# KiCad board cell-sim.kicad_pcb (continued)
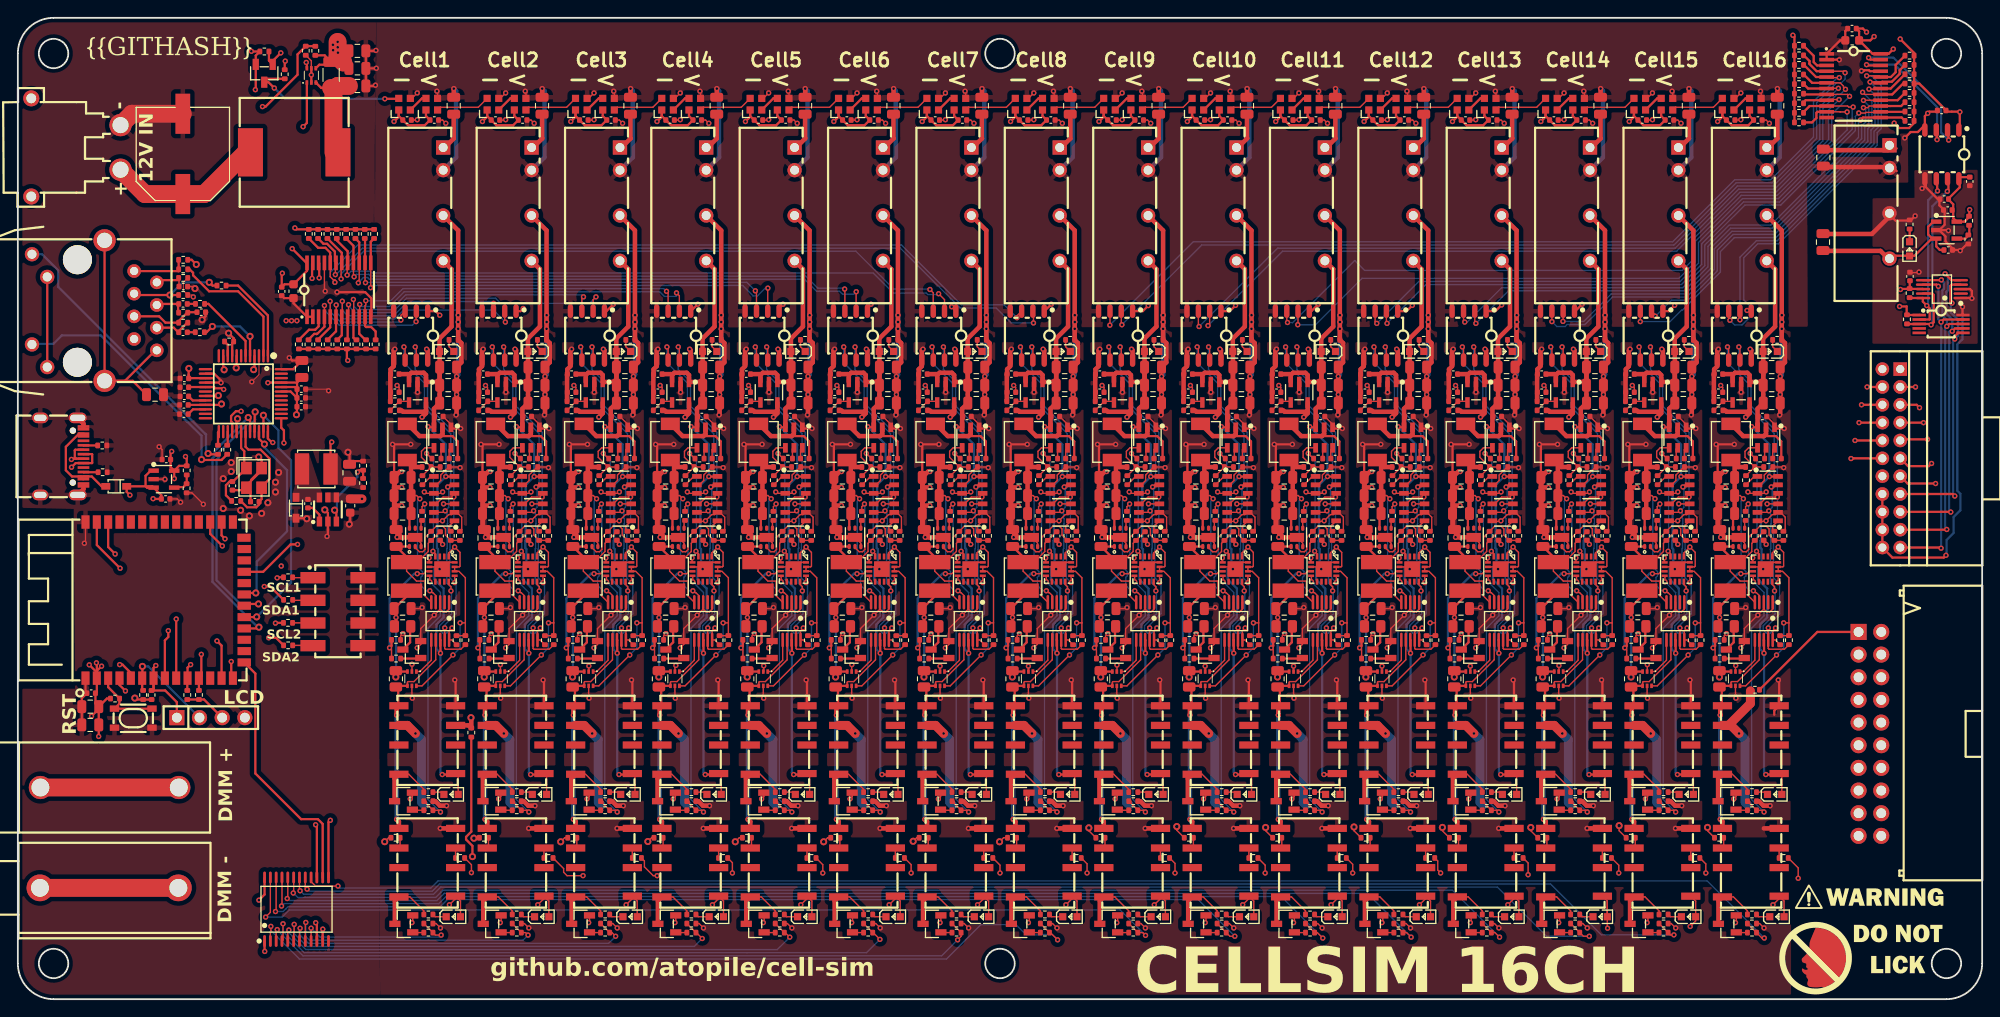
[diagram p0: board, top side]
## Routing (per net, layer and track width the routed paths; a pad name or vN(x,y) marks a point on that pad's centre or on a via; arc(x,y) is an arc through that point) (continued)
  Top w0.15: U184.8 152.55,11.46 154.11,9.9 R357.2
  Top w0.5: Q35.3 150.87,11.01 U184.8
cell12.gpio-p4: length 13.5
  Top w0.15: v2(150.28,39.38) 150.5,39.16 R360.1 ; v2(153.38,47.69) 154.09,47.69 154.36,47.96 U185.7
  Top w0.25: R361.1 150.49,39.6 v2(150.28,39.38)
  Bottom w0.25: v2(153.38,47.69) 153.04,47.69 150.28,44.92 v2(150.28,39.38)
cell12.internal_ldo.feedback_div-out: length 2.6
  Top w0.15: U189.4 152.32,67.02 R366.1 151.37,67.02 R365.2
cell12.isolated_converter.led.resistor-cathode: length 1.5
  Top w0.15: R344.1 156.94,73.13 LED35.1
cell12.ldo.ctrl_resistor-fb: length 8.5
  Top w0.15: 153.15,50.56 U181.2 153.15,50.61 153.61,50.15 153.99,50.15 154.26,50.42 154.26,51.77 R350.2 155.53,53.05 156.2,53.05 156.54,52.71 156.54,52.02 R349.2 ; 157.94,51.43 156.93,51.43
cell12.ldo.dac-vout: length 1.4
  Top w0.15: 156.93,52.44 156.93,53 U180.1
cell12.ldo.regulator-en: length 0.9
  Top w0.15: R352.2 153.8,53.56 U181.4
cell12.load_switch.fet-gate: length 2.3
  Top w0.25: Q36.1 153.71,38.18 R360.2
cell12.load_switch.fet-n: length 3
  Top w0.25: R362.2 152.58,41.72 152.58,40 Q36.3
cell12.output_relay.fet-gate: length 1.6
  Top w0.15: Q34.1 152.9,21.18 154.37,21.18
cell12.output_relay.indicator_led.resistor-cathode: length 1.3
  Top w0.15: R354.1 156.11,23.21 LED36.1
cell12.output_relay.relay-gnd: length 7
  Top w0.15: U183.8 152.43,25.21 154.11,23.53 R354.2
  Top w0.5: U183.8 150.83,24.72 Q34.3
cell12.voltage_led.ic-vcc: length 2.3
  Top w0.25: U188.2 153.91,100.97 U187.4
CELL12_3V3_VCC: length 34.1
  Top w0.15: U180.3 156.33,55.52 v2(156.32,55.52) ; U182.6 153.92,35.12 v2(157.38,38.58) ; U185.1 156.91,50.03 v2(157.57,50.69) 158.17,50.08 158.17,48.54 158.09,48.46 U185.15 U185.14 158.05,47.96 158.77,47.24 158.77,42.18 ; C232.1 151.35,68.57 v2(151.12,68.79) ; R364.2 158.76,40.74 R363.2 158.77,42.18 ; v2(156.22,56.86) 156.06,56.7 U178.3 154.33,56.7 v2(154.17,56.86) ; 158.77,42.18 v2(158.18,42.18)
  Top w0.5: 154.36,66 154.2,65.84 151.79,65.84 151.63,66 ; 154.36,66 154.36,65.68 v2(153.92,65.24) ; 154.36,66 U189.5 ; v2(154.42,72.86) 154.55,72.74 U186.8
  Bottom w0.15: v2(157.38,38.58) 158.18,39.38 v2(158.18,42.18)
CELL12_5V_VCC: length 77.2
  Top w0.15: 155.88,70.85 C218.1 ; U183.1 157.96,25 LED36.2
  Top w0.25: U177.8 155.98,40.24 v2(155.98,38.78) ; v2(156.58,58.58) 157.52,58.58 U178.6 ; v2(154.58,64.18) 154.66,64.1 U179.3 155.25,65.25 C221.1 ; U183.1 157.56,25.18 v2(156.18,25.18)
  Top w0.5: 152.46,69.96 152.71,70.21 154.1,70.21 154.36,69.96 U189.1 155.53,69.18 C220.1 155.89,68.83 155.89,70.06 ; 152.46,69.96 152.35,70.06 151.6,70.06 ; 152.46,69.96 U189.3 ; 155.89,70.06 155.89,72.59 LED35.2 155.87,74.05 157.22,75.4 157.22,81.83 U176.6 ; 155.89,70.06 C219.1 155.25,66.19 U179.3
  Bottom w0.25: v2(154.58,64.18) 156.58,62.18 v2(156.58,58.58) 155.63,57.63 155.63,51.43 155.58,51.38 155.58,50.58 155.71,50.44 155.71,48.85 155.31,48.45 155.31,47.05 156.33,46.03 156.33,42.79 155.53,42 155.53,39.23 v2(155.98,38.78) 155.98,25.38 v2(156.18,25.18)
CELL12_BUCK_ENABLE: length 12.8
  Top w0.15: v2(155.13,50.21) 155.41,49.94 U185.4 ; v2(154.42,61.17) 155,60.6 R348.1
  Bottom w0.15: v2(155.13,50.21) 155.19,50.26 155.19,60.41 v2(154.42,61.17)
CELL12_BUCK_POWER_OUT_VCC: length 24.3
  Top w0.15: v2(154.79,45.78) 154.84,45.78 155.04,45.57 155.12,45.57 155.45,45.24 U177.4 ; C222.1 153.3,56.45 v2(153.66,56.09)
  Top w0.25: 152.83,58.63 C224.1 ; C223.1 152.5,54.25 U181.6
  Top w0.5: C223.1 152.68,60.01 L25.2 153.05,59.65 R346.1
  Bottom w0.15: v2(154.79,45.78) 154.38,45.78 153.78,46.38 153.78,47.28 153.95,47.45 153.95,47.93 153.62,48.27 153.49,48.27 153.41,48.35 153.41,55.84 v2(153.66,56.09)
CELL12_CURRENT_SENSE_OUTPUT: length 4.5
  Top w0.15: U177.6 154.95,37.99 153.68,36.72 U182.1
CELL12_CURRENT_SENSE_POWER_OUT_VCC: length 24.3
  Top w0.15: U177.7 155.45,38.04 153,35.6 152.35,35.6 152.28,35.52 U182.4
  Top w0.25: R353.2 151.11,35.12 U182.4 ; 151,35 151.24,34.75 151.24,32.89
  Top w0.5: U184.5 151.32,19.91 v2(151.07,20.16) ; U183.5 151.07,32.64 v2(151.07,31.84)
  Bottom w0.5: v2(151.07,20.16) v2(151.07,31.84)
CELL12_DMM_RELAY_CONTROL: length 133.3
  Top w0.15: R359.1 154.12,8.48 R358.1 155.54,7.46 v2(156.05,6.95) ; v2(30.17,11.28) 30.23,11.34 U16.20
  Bottom w0.15: v2(30.17,11.28) 30.39,11.06 46.95,11.06 47.75,11.86 151.14,11.86 v2(156.05,6.95)
CELL12_FILTER_POWER_OUT_VCC: length 134.3
  Top w0.15: 160.87,58.48 C240.2 160.91,58.25 C243.2 160.91,51.88 v2(161.02,51.78) ; U196.5 162.68,33.78 v2(162.72,33.74) ; v2(163.28,39.38) 163.67,39.77 Q39.2 163.67,41.54 v2(165.17,43.05) 165.85,43.72 U191.3 165.85,43.73 166.18,43.4 166.52,43.4 166.85,43.73 U191.1 ; 165.84,51.44 165.84,51.25 v2(166.11,50.98) ; C234.2 v2(167.68,69.81) ; C238.2 160.68,56.52 ; R386.2 161.41,40.72 v2(161.68,40.98) ; 167.69,65.55 v2(167.63,65.49) ; U192.2 165.41,57.65 165.9,58.14 165.9,58.75 166.8,59.65 R372.2 168.01,59.65 v2(168.08,59.58) ; 167.68,66.82 C235.2 ; C237.2 167.05,64.44 U193.1 ; U195.3 163.7,51.11 U195.7 ; v2(162.49,22.45) 162.73,22.69 Q37.2 ; v2(162.68,37.33) U196.2 ; v2(165.78,48.21) 166.19,48.21 166.94,48.96 U199.16 166.8,48.96 U199.17 165.8,48.46 U199.6 ; v2(167.68,67.78) 167.68,67.78 C236.2 ; R376.2 168.25,52.65 168.25,54.03 167.71,54.57 U194.2 167.37,54.57 167.12,54.32 166.8,54.32 v2(166.1,53.62) 166.03,53.55 165.09,53.55 165.14,53.61 U194.6 ; 160.91,55.33 160.68,55.1 C239.2 ; C244.2 163.69,43.78 v2(163.82,43.9)
  Top w0.25: U182.3 151.08,36.72 R353.1 150.98,36.11 v1(150.98,36.11) ; 151,42.02 v2(151,42.78) 151,43.58 150.8,43.78 152.2,45.18 152.2,45.79 ; v2(167.48,35.78) 167.57,35.69 U197.4 ; v2(162.55,62.19) v2(160.51,62.19) 160.68,62.02 C240.2 ; v2(168.13,63.97) 167.19,63.97 U193.1
  Top w0.5: 167.86,76.67 167.86,75.91 ; 167.86,76.67 v2(167.87,76.67) ; 167.86,76.67 167.86,86.17 U190.4 ; 167.86,75.91 v2(167.87,75.91) ; 167.86,75.91 R369.2 168.22,73.54 168.22,71.38 C234.2 ; 160.87,58.48 160.87,58.67 161.34,59.14 v2(161.53,59.14) ; 167.68,66.82 v2(167.68,67.78) v2(167.68,69.81) ; v2(161.53,57.36) 160.68,57.36 160.68,56.52 ; C240.2 160.68,52.61 161.53,51.76 ; v2(166.56,21.68) 165.81,21.68 165.3,22.19 R381.2 ; 161.53,51.76 161.04,51.76 v2(161.02,51.78) ; 161.53,51.76 U195.7 ; v2(160.77,72.86) 160.64,72.73 U200.5 160.64,70.95 160.29,70.6 C247.2 160.26,70.03 R391.2 ; U198.4 v2(165.86,19.14) ; C235.2 167.69,65.55 ; U203.2 v2(163.31,68.03) ; 160.91,55.33 v2(161.53,55.33)
  In1.Cu w0.15: 162.72,37.28 v2(162.68,37.33)
  In1.Cu w1: v2(162.72,33.74) 162.72,37.28
  In2.Cu w0.25: v1(150.98,36.11) 151.57,36.11 153.95,33.74 v2(162.72,33.74)
  Bottom w0.25: v1(150.98,36.11) 151,36.13 v2(151,42.78)
  Bottom w0.5: v2(167.68,69.81) 167.87,69.99 v2(167.87,76.67)
  vias: v2(167.86,75.14)
CELL12_I2C_SCL: length 44.2
  Top w0.15: v2(156.51,54.74) 156.34,54.57 U180.5 ; U178.5 157.03,57.65 v2(156.79,57.41) ; v2(151.88,73.11) 152.02,72.98 U186.6 ; v2(157.26,41.61) 156.95,41.29 U177.10 157.24,40.27 R364.1 ; v2(157.15,45.76) 157.15,46.24 156.91,46.49 U185.12
  Bottom w0.15: v2(157.26,41.61) 156.7,41.04 156.22,41.04 155.88,41.38 155.88,41.85 157.22,43.19 157.22,45.7 v2(157.15,45.76) 157.15,46.17 156.69,46.64 156.69,50.48 156.74,50.53 156.74,53.27 156.78,53.31 156.78,53.86 156.71,53.93 156.71,54.54 v2(156.51,54.74) 156.9,55.13 156.9,57.14 157.12,57.36 157.12,63.39 154.17,66.35 154.17,69.05 151.88,71.33 v2(151.88,73.11)
CELL12_I2C_SDA: length 44
  Top w0.15: v2(157.57,46.7) U185.13 ; R363.1 158.26,39.23 156.53,39.23 156.45,39.31 U177.9 156.45,41.61 v2(156.46,41.62) ; U180.4 155.51,55.52 156.28,56.28 v2(157.47,56.28) ; U186.7 153.28,72.99 v2(153.15,73.11)
  Bottom w0.15: v2(156.46,41.62) 156.46,41.93 157.73,43.2 157.73,46.53 v2(157.57,46.7) 157.04,47.23 157.04,50.4 157.04,50.41 157.04,53.15 157.47,53.58 v2(157.47,56.28) 157.47,63.54 154.52,66.49 154.52,69.21 153.15,70.57 v2(153.15,73.11)
CELL12_LDO_ENABLE: length 7.7
  Top w0.15: R352.1 153.91,55.21 v2(154.21,55.51) ; U185.5 154.7,49 v2(154.7,49.46)
  Bottom w0.15: v2(154.7,49.46) 154.24,49.93 154.24,55.48 v2(154.21,55.51)
CELL12_LDO_POWER_OUT_VCC: length 15.6
  Top w0.15: 155.95,52.4 155.91,52.4 R350.1 154.61,51.1 154.61,50.18 153.42,48.99 L26.1 152.18,47.97 153.29,46.87 154.21,46.87 154.21,45.23 U177.5
  Top w0.25: 152.2,48.99 152.2,49.56 C227.1 151.02,50.73 U181.1
CELL12_OUTPUT_RELAY_CONTROL: length 30.4
  Top w0.15: 155.13,21.18 154.37,21.94 154.37,22.19 ; v2(154.78,46.78) 154.78,47.43 U185.8 ; v2(155.98,20.98) 155.78,21.18 R355.1
  Bottom w0.15: v2(155.98,20.98) 154.58,22.38 154.58,41.58 155.98,42.98 155.98,45.58 v2(154.78,46.78)
cell13-led_data: length 6.1
  Top w0.15: U216.4 170.1,99.97 165.85,99.97 U201.2
cell13-vcc: length 58.1
  Top w1: v2(163.08,29.78) 162.17,30.69 U197.6
  In1.Cu w0.5: v2(163.08,29.78) 163.12,29.78 165.27,27.63 193.9,27.63 202.35,36.08 U246.5
  Bottom w1: v2(163.08,29.78) 163.75,29.11 163.75,22.08 164.08,21.75
cell13.buck.ctrl_resistor-vfb: length 6.2
  Top w0.15: R370.2 164.82,59.65 R371.2 ; R372.1 R371.2 ; R371.2 163.75,60.73 163.75,61.41 164.14,61.8 U193.4
cell13.buck.dac-vout: length 1.7
  Top w0.15: R370.1 164.79,58.6 U192.1
cell13.buck.regulator-en: length 1.3
  Top w0.15: U193.5 165.94,61.64 R373.2
cell13.buck.regulator-sw: length 9.5
  Top w0.25: C241.2 167.81,62.52 167.21,63.12 165.87,63.12
  Top w0.5: L27.1 163.54,63.12 165.87,63.12 166.1,63.35 U193.2
cell13.buck.regulator-vbst: length 1.3
  Top w0.15: C241.1 166.85,61.6 U193.6
cell13.dmm_relay-gnd: length 1.1
  Top w0.15: R393.1 167.57,16.94 U198.3
cell13.dmm_relay-vcc: length 1.2
  Top w0.15: U198.6 161.35,17.08 R392.1
cell13.dmm_relay.fet-gate: length 1.3
  Top w0.15: Q38.1 162.8,7.46 R383.2
cell13.dmm_relay.indicator_led.resistor-cathode: length 1.6
  Top w0.15: LED40.1 165.29,9.24 R382.1
cell13.dmm_relay.relay-gnd: length 7.1
  Top w0.15: R382.2 164.01,9.9 162.45,11.46 U198.8
  Top w0.5: U198.8 160.77,11.01 Q38.3
cell13.gpio-p4: length 13.5
  Top w0.15: v2(163.28,47.69) 163.99,47.69 164.25,47.96 U199.7 ; v2(160.17,39.38) 160.39,39.16 R385.1
  Top w0.25: R386.1 160.39,39.6 v2(160.17,39.38)
  Bottom w0.25: v2(163.28,47.69) 162.94,47.69 160.17,44.92 v2(160.17,39.38)
cell13.internal_ldo.feedback_div-out: length 2.6
  Top w0.15: U203.4 162.22,67.02 R391.1 161.27,67.02 R390.2
cell13.isolated_converter.led.resistor-cathode: length 1.5
  Top w0.15: LED38.1 166.84,73.13 R369.1
cell13.ldo.ctrl_resistor-fb: length 8.5
  Top w0.15: 167.84,51.43 166.83,51.43 ; 163.05,50.56 U195.2 163.05,50.61 163.51,50.15 163.89,50.15 164.16,50.42 164.16,51.77 R375.2 165.43,53.05 166.1,53.05 166.44,52.71 166.44,52.02 R374.2
cell13.ldo.dac-vout: length 1.4
  Top w0.15: U194.1 166.83,53 166.83,52.44
cell13.ldo.regulator-en: length 0.9
  Top w0.15: R377.2 163.7,53.56 U195.4
cell13.load_switch.fet-gate: length 2.3
  Top w0.25: R385.2 163.61,38.18 Q39.1
cell13.load_switch.fet-n: length 3
  Top w0.25: R387.2 162.48,41.72 162.48,40 Q39.3
cell13.output_relay.fet-gate: length 1.6
  Top w0.15: Q37.1 162.8,21.18 164.27,21.18
cell13.output_relay.indicator_led.resistor-cathode: length 1.3
  Top w0.15: R379.1 166.01,23.21 LED39.1
cell13.output_relay.relay-gnd: length 7
  Top w0.15: R379.2 164.01,23.53 162.33,25.21 U197.8
  Top w0.5: U197.8 160.73,24.72 Q37.3
cell13.voltage_led.ic-vcc: length 2.3
  Top w0.25: U202.2 163.8,100.97 U201.4
CELL13_3V3_VCC: length 34.1
  Top w0.15: v2(161.02,68.79) 161.25,68.57 C248.1 ; 168.66,42.18 R388.2 168.65,40.74 R389.2 ; 168.66,42.18 168.66,47.24 167.94,47.96 U199.14 U199.15 167.98,48.46 168.07,48.54 168.07,50.08 v2(167.46,50.69) 166.8,50.03 U199.1 ; 168.66,42.18 v2(168.08,42.18) ; v2(164.07,56.86) 164.22,56.7 U192.3 165.96,56.7 v2(166.12,56.86) ; U194.3 166.22,55.52 v2(166.22,55.52) ; v2(167.28,38.58) 163.82,35.12 U196.6
  Top w0.5: 161.53,66 161.69,65.84 164.1,65.84 164.26,66 ; v2(164.32,72.86) 164.45,72.74 U200.8 ; v2(163.82,65.24) 164.26,65.68 164.26,66 ; 164.26,66 U203.5
  Bottom w0.15: v2(167.28,38.58) 168.08,39.38 v2(168.08,42.18)
CELL13_5V_VCC: length 77.2
  Top w0.15: 165.78,70.85 C234.1 ; U197.1 167.86,25 LED39.2
  Top w0.25: v2(166.48,58.58) 167.42,58.58 U192.6 ; U197.1 167.46,25.18 v2(166.08,25.18) ; U191.8 165.88,40.24 v2(165.88,38.78) ; C237.1 165.15,65.25 U193.3 164.56,64.1 v2(164.48,64.18)
  Top w0.5: U193.3 165.15,66.19 C235.1 165.79,70.06 ; 165.79,70.06 165.79,72.59 LED38.2 165.77,74.05 167.12,75.4 167.12,81.83 U190.6 ; 165.79,70.06 165.79,68.83 C236.1 165.43,69.18 U203.1 164.26,69.96 164,70.21 162.61,70.21 162.36,69.96 ; U203.3 162.36,69.96 ; 162.36,69.96 162.25,70.06 161.5,70.06
  Bottom w0.25: v2(166.08,25.18) 165.88,25.38 v2(165.88,38.78) 165.43,39.23 165.43,42 166.23,42.79 166.23,46.03 165.21,47.05 165.21,48.45 165.61,48.85 165.61,50.44 165.48,50.58 165.48,51.38 165.53,51.43 165.53,57.63 v2(166.48,58.58) 166.48,62.18 v2(164.48,64.18)
CELL13_BUCK_ENABLE: length 12.8
  Top w0.15: R373.1 164.9,60.6 v2(164.32,61.17) ; U199.4 165.3,49.94 v2(165.03,50.21)
  Bottom w0.15: v2(165.03,50.21) 165.09,50.26 165.09,60.41 v2(164.32,61.17)
CELL13_BUCK_POWER_OUT_VCC: length 24.3
  Top w0.15: v2(164.69,45.78) 164.73,45.78 164.94,45.57 165.02,45.57 165.35,45.24 U191.4 ; C238.1 163.2,56.45 v2(163.56,56.09)
  Top w0.25: C239.1 162.4,54.25 U195.6 ; 162.73,58.63 C240.1
  Top w0.5: R371.1 162.94,59.65 L27.2 162.58,60.01 C239.1
  Bottom w0.15: v2(163.56,56.09) 163.31,55.84 163.31,48.35 163.39,48.27 163.51,48.27 163.85,47.93 163.85,47.45 163.68,47.28 163.68,46.38 164.28,45.78 v2(164.69,45.78)
CELL13_CURRENT_SENSE_OUTPUT: length 4.5
  Top w0.15: U196.1 163.57,36.72 164.85,37.99 U191.6
CELL13_CURRENT_SENSE_POWER_OUT_VCC: length 24.3
  Top w0.15: U191.7 165.35,38.04 162.9,35.6 162.25,35.6 162.18,35.52 U196.4
  Top w0.25: 161.14,32.89 161.14,34.75 160.9,35 ; U196.4 161.01,35.12 R378.2
  Top w0.5: U198.5 161.22,19.91 v2(160.97,20.16) ; v2(160.97,31.84) 160.97,32.64 U197.5
  Bottom w0.5: v2(160.97,20.16) v2(160.97,31.84)
CELL13_DMM_RELAY_CONTROL: length 142.1
  Top w0.15: v2(165.95,6.95) 165.44,7.46 R383.1 164.02,8.48 R384.1 ; v2(30.85,11.9) 30.89,11.94 U16.19
  Bottom w0.15: v2(165.95,6.95) 160.69,12.21 47.61,12.21 46.81,11.41 31.34,11.41 v2(30.85,11.9)
CELL13_FILTER_POWER_OUT_VCC: length 134.4
  Top w0.15: C260.2 173.59,43.78 v2(173.71,43.9) ; v2(176.01,50.98) 175.74,51.25 175.74,51.44 ; R411.2 171.31,40.72 v2(171.58,40.98) ; v2(177.58,67.78) 177.58,67.78 C252.2 ; 170.81,55.33 170.58,55.1 C255.2 ; v2(172.6,37.4) 172.6,36.75 U210.2 ; v2(172.39,22.45) 172.63,22.69 Q40.2 ; U213.6 175.7,48.46 U213.17 176.7,48.96 U213.16 176.84,48.96 176.09,48.21 v2(175.68,48.21) ; U210.5 172.57,33.78 v2(172.62,33.74) ; U206.2 175.31,57.65 175.8,58.14 175.8,58.75 176.7,59.65 R397.2 177.91,59.65 v2(177.98,59.58) ; R401.2 178.15,52.65 178.15,54.03 177.61,54.57 U208.2 177.27,54.57 177.02,54.32 176.7,54.32 176,53.62 v2(176,53.62) 175.93,53.55 174.98,53.55 175.04,53.61 U208.6 ; 170.77,58.48 C256.2 170.81,58.25 C259.2 170.81,51.88 v2(170.92,51.78) ; U207.1 176.95,64.44 C253.2 ; 177.58,65.55 v2(177.52,65.49) ; U205.1 176.75,43.73 176.42,43.4 176.07,43.4 175.75,43.73 U205.3 175.75,43.72 v2(175.07,43.05) 173.57,41.54 Q42.2 173.57,39.77 v2(173.18,39.38) ; C254.2 170.58,56.52 ; U209.7 173.6,51.11 U209.3 ; C250.2 v2(177.58,69.81)
  Top w0.25: v2(172.44,62.19) v2(170.41,62.19) 170.58,62.02 C256.2 ; 162.1,45.79 162.1,45.18 160.7,43.78 160.9,43.58 v2(160.9,42.78) 160.9,42.02 ; v2(178.03,63.97) 177.08,63.97 U207.1 ; v1(160.88,36.11) 160.88,36.11 R378.1 160.98,36.72 U196.3 ; U211.4 177.47,35.69 v2(177.38,35.78)
  Top w0.5: 170.77,58.48 170.77,58.67 171.24,59.14 v2(171.43,59.14) ; U217.2 v2(173.21,68.03) ; R406.2 175.2,22.19 175.71,21.68 v2(176.45,21.68) ; 171.43,51.76 170.93,51.76 v2(170.92,51.78) ; 171.43,51.76 170.58,52.61 C256.2 ; 171.43,51.76 U209.7 ; C250.2 178.12,71.38 178.12,73.54 R394.2 177.76,75.91 ; 177.76,76.67 177.76,86.17 U204.4 ; 177.76,76.67 v2(177.77,76.67) ; 177.76,76.67 177.76,75.91 ; v2(177.58,69.81) v2(177.58,67.78) C251.2 177.58,65.55 ; 177.76,75.91 v2(177.77,75.91) ; U212.4 v2(175.75,19.14) ; v2(170.67,72.86) 170.53,72.73 U214.5 170.53,70.95 170.19,70.6 C263.2 170.16,70.03 R416.2 ; 170.81,55.33 v2(171.43,55.33) ; 170.58,56.52 170.58,57.36 v2(171.43,57.36)
  In1.Cu w0.15: 172.62,37.38 v2(172.6,37.4)
  In1.Cu w1: v2(172.62,33.74) 172.62,37.38
  In2.Cu w0.25: v2(172.62,33.74) 163.84,33.74 161.47,36.11 v1(160.88,36.11)
  Bottom w0.25: v2(160.9,42.78) 160.9,36.13 v1(160.88,36.11)
  Bottom w0.5: v2(177.77,76.67) 177.77,69.99 v2(177.58,69.81)
  vias: v2(177.76,75.14)
CELL13_I2C_SCL: length 44.2
  Top w0.15: v2(167.05,45.76) 167.05,46.24 166.8,46.49 U199.12 ; U192.5 166.92,57.65 v2(166.69,57.41) ; v2(167.16,41.61) 166.85,41.29 U191.10 167.13,40.27 R389.1 ; v2(161.78,73.11) 161.92,72.98 U200.6 ; v2(166.41,54.74) 166.24,54.57 U194.5
  Bottom w0.15: v2(167.16,41.61) 166.59,41.04 166.12,41.04 165.78,41.38 165.78,41.85 167.12,43.19 167.12,45.7 v2(167.05,45.76) 167.05,46.17 166.58,46.64 166.58,50.48 166.64,50.53 166.64,53.27 166.68,53.31 166.68,53.86 166.61,53.93 166.61,54.54 v2(166.41,54.74) 166.8,55.13 166.8,57.14 167.02,57.36 167.02,63.39 164.07,66.35 164.07,69.05 161.78,71.33 v2(161.78,73.11)
CELL13_I2C_SDA: length 44
  Top w0.15: v2(167.37,56.28) 166.18,56.28 165.41,55.52 U194.4 ; U200.7 163.18,72.99 v2(163.05,73.11) ; v2(166.36,41.62) 166.35,41.61 U191.9 166.35,39.31 166.43,39.23 168.16,39.23 R388.1 ; v2(167.46,46.7) U199.13
  Bottom w0.15: v2(163.05,73.11) 163.05,70.57 164.42,69.21 164.42,66.49 167.37,63.54 v2(167.37,56.28) 167.37,53.58 166.94,53.15 166.94,50.41 166.93,50.4 166.93,47.23 v2(167.46,46.7) 167.63,46.53 167.63,43.2 166.36,41.93 v2(166.36,41.62)
CELL13_LDO_ENABLE: length 7.7
  Top w0.15: v2(164.6,49.46) 164.6,49 U199.5 ; v2(164.11,55.51) 163.81,55.21 R377.1
  Bottom w0.15: v2(164.11,55.51) 164.14,55.48 164.14,49.93 v2(164.6,49.46)
CELL13_LDO_POWER_OUT_VCC: length 15.6
  Top w0.15: 165.84,52.4 165.81,52.4 R375.1 164.51,51.1 164.51,50.18 163.32,48.99 L28.1 162.08,47.97 163.19,46.87 164.11,46.87 164.11,45.23 U191.5
  Top w0.25: U195.1 160.92,50.73 C243.1 162.1,49.56 162.1,48.99
CELL13_OUTPUT_RELAY_CONTROL: length 30.4
  Top w0.15: 165.03,21.18 164.27,21.94 164.27,22.19 ; v2(164.68,46.78) 164.68,47.43 U199.8 ; v2(165.88,20.98) 165.68,21.18 R380.1
  Bottom w0.15: v2(165.88,20.98) 164.48,22.38 164.48,41.58 165.88,42.98 165.88,45.58 v2(164.68,46.78)
cell14-led_data: length 6.1
  Top w0.15: U230.4 180,99.97 175.75,99.97 U215.2
cell14-vcc: length 51.3
  Top w1: U211.6 172.07,30.69 v2(172.98,29.78)
  In1.Cu w0.25: U246.4 207.38,37.31 205.06,37.31 204.95,37.2
  In1.Cu w0.5: 204.95,37.2 202.48,37.2 193.61,28.33 174.42,28.33 174.3,28.45 174.3,28.46 v2(172.98,29.78)
  Bottom w1: 173.98,21.75 173.65,22.08 173.65,29.11 v2(172.98,29.78)
cell14.buck.ctrl_resistor-vfb: length 6.2
  Top w0.15: R396.2 174.72,59.65 R395.2 ; R396.2 R397.1 ; R396.2 173.65,60.73 173.65,61.41 174.04,61.8 U207.4
cell14.buck.dac-vout: length 1.7
  Top w0.15: U206.1 174.69,58.6 R395.1
cell14.buck.regulator-en: length 1.3
  Top w0.15: R398.2 175.84,61.64 U207.5
cell14.buck.regulator-sw: length 9.5
  Top w0.25: C257.2 177.7,62.52 177.1,63.12 175.76,63.12
  Top w0.5: L29.1 173.44,63.12 175.76,63.12 176,63.35 U207.2
cell14.buck.regulator-vbst: length 1.3
  Top w0.15: U207.6 176.74,61.6 C257.1
cell14.dmm_relay-gnd: length 1.1
  Top w0.15: R418.1 177.47,16.94 U212.3
cell14.dmm_relay-vcc: length 1.2
  Top w0.15: R417.1 171.25,17.08 U212.6
cell14.dmm_relay.fet-gate: length 1.3
  Top w0.15: Q41.1 172.7,7.46 R408.2
cell14.dmm_relay.indicator_led.resistor-cathode: length 1.6
  Top w0.15: LED43.1 175.19,9.24 R407.1
cell14.dmm_relay.relay-gnd: length 7.1
  Top w0.15: R407.2 173.91,9.9 172.34,11.46 U212.8
  Top w0.5: Q41.3 170.67,11.01 U212.8
cell14.gpio-p4: length 13.5
  Top w0.15: v2(173.18,47.69) 173.89,47.69 174.15,47.96 U213.7 ; v2(170.07,39.38) 170.29,39.16 R410.1
  Top w0.25: v2(170.07,39.38) 170.29,39.6 R411.1
  Bottom w0.25: v2(173.18,47.69) 172.84,47.69 170.07,44.92 v2(170.07,39.38)
cell14.internal_ldo.feedback_div-out: length 2.6
  Top w0.15: R415.2 171.17,67.02 R416.1 172.12,67.02 U217.4
cell14.isolated_converter.led.resistor-cathode: length 1.5
  Top w0.15: LED41.1 176.74,73.13 R394.1
cell14.ldo.ctrl_resistor-fb: length 8.5
  Top w0.15: 172.95,50.56 U209.2 172.95,50.61 173.41,50.15 173.79,50.15 174.06,50.42 174.06,51.77 R400.2 175.33,53.05 176,53.05 176.34,52.71 176.34,52.02 R399.2 ; 177.74,51.43 176.73,51.43
cell14.ldo.dac-vout: length 1.4
  Top w0.15: U208.1 176.73,53 176.73,52.44
cell14.ldo.regulator-en: length 0.9
  Top w0.15: R402.2 173.6,53.56 U209.4
cell14.load_switch.fet-gate: length 2.3
  Top w0.25: Q42.1 173.51,38.18 R410.2
cell14.load_switch.fet-n: length 3
  Top w0.25: R412.2 172.38,41.72 172.38,40 Q42.3
cell14.output_relay.fet-gate: length 1.6
  Top w0.15: Q40.1 172.7,21.18 174.17,21.18
cell14.output_relay.indicator_led.resistor-cathode: length 1.3
  Top w0.15: LED42.1 175.91,23.21 R404.1
cell14.output_relay.relay-gnd: length 7
  Top w0.15: R404.2 173.91,23.53 172.23,25.21 U211.8
  Top w0.5: U211.8 170.63,24.72 Q40.3
cell14.voltage_led.ic-vcc: length 2.3
  Top w0.25: U216.2 173.7,100.97 U215.4
CELL14_3V3_VCC: length 34.1
  Top w0.15: 178.56,42.18 R413.2 178.55,40.74 R414.2 ; 178.56,42.18 v2(177.98,42.18) ; 178.56,42.18 178.56,47.24 177.84,47.96 U213.14 U213.15 177.88,48.46 177.97,48.54 177.97,50.08 v2(177.36,50.69) 176.7,50.03 U213.1 ; v2(170.92,68.79) 171.15,68.57 C264.1 ; v2(176.02,56.86) 175.86,56.7 U206.3 174.12,56.7 v2(173.97,56.86) ; U208.3 176.12,55.52 v2(176.12,55.52) ; U210.6 173.72,35.12 v2(177.18,38.58)
  Top w0.5: 171.43,66 171.59,65.84 174,65.84 174.16,66 ; v2(174.22,72.86) 174.34,72.74 U214.8 ; v2(173.71,65.24) 174.16,65.68 174.16,66 ; U217.5 174.16,66
  Bottom w0.15: v2(177.18,38.58) 177.98,39.38 v2(177.98,42.18)
CELL14_5V_VCC: length 77.2
  Top w0.15: 175.68,70.85 C250.1 ; U211.1 177.76,25 LED42.2
  Top w0.25: C253.1 175.05,65.25 U207.3 174.45,64.1 v2(174.38,64.18) ; U205.8 175.78,40.24 v2(175.78,38.78) ; U206.6 177.32,58.58 v2(176.38,58.58) ; v2(175.98,25.18) 177.36,25.18 U211.1
  Top w0.5: U217.3 172.26,69.96 ; 172.26,69.96 172.15,70.06 171.4,70.06 ; 172.26,69.96 172.51,70.21 173.9,70.21 174.16,69.96 U217.1 175.33,69.18 C252.1 175.68,68.83 175.68,70.06 ; 175.68,70.06 C251.1 175.05,66.19 U207.3 ; 175.68,70.06 175.68,72.59 LED41.2 175.67,74.05 177.02,75.4 177.02,81.83 U204.6
  Bottom w0.25: v2(174.38,64.18) 176.38,62.18 v2(176.38,58.58) 175.42,57.63 175.42,51.43 175.38,51.38 175.38,50.58 175.51,50.44 175.51,48.85 175.1,48.45 175.1,47.05 176.13,46.03 176.13,42.79 175.33,42 175.33,39.23 v2(175.78,38.78) 175.78,25.38 v2(175.98,25.18)
CELL14_BUCK_ENABLE: length 12.8
  Top w0.15: v2(174.22,61.17) 174.8,60.6 R398.1 ; v2(174.93,50.21) 175.2,49.94 U213.4
  Bottom w0.15: v2(174.93,50.21) 174.98,50.26 174.98,60.41 v2(174.22,61.17)
CELL14_BUCK_POWER_OUT_VCC: length 24.3
  Top w0.15: v2(174.58,45.78) 174.63,45.78 174.84,45.57 174.92,45.57 175.25,45.24 U205.4 ; v2(173.46,56.09) 173.1,56.45 C254.1
  Top w0.25: U209.6 172.3,54.25 C255.1 ; 172.63,58.63 C256.1
  Top w0.5: R396.1 172.84,59.65 L29.2 172.48,60.01 C255.1
  Bottom w0.15: v2(173.46,56.09) 173.21,55.84 173.21,48.35 173.29,48.27 173.41,48.27 173.75,47.93 173.75,47.45 173.58,47.28 173.58,46.38 174.18,45.78 v2(174.58,45.78)
CELL14_CURRENT_SENSE_OUTPUT: length 4.5
  Top w0.15: U205.6 174.75,37.99 173.47,36.72 U210.1
CELL14_CURRENT_SENSE_POWER_OUT_VCC: length 24.3
  Top w0.15: U210.4 172.07,35.52 172.15,35.6 172.8,35.6 175.25,38.04 U205.7
  Top w0.25: 171.04,32.89 171.04,34.75 170.8,35 ; R403.2 170.91,35.12 U210.4
  Top w0.5: v2(170.87,31.84) 170.87,32.64 U211.5 ; v2(170.87,20.16) 171.12,19.91 U212.5
  Bottom w0.5: v2(170.87,20.16) v2(170.87,31.84)
CELL14_DMM_RELAY_CONTROL: length 151.4
  Top w0.15: R409.1 173.92,8.48 R408.1 175.34,7.05 v2(176,7.05) ; v2(31.61,12.15) 31.54,12.22 U16.18
  Bottom w0.15: v2(176,7.05) 171.22,7.05 165.71,12.56 47.36,12.56 46.56,11.76 32.01,11.76 v2(31.61,12.15)
CELL14_FILTER_POWER_OUT_VCC: length 134.9
  Top w0.15: U220.2 185.21,57.65 185.7,58.14 185.7,58.75 186.6,59.65 R422.2 187.8,59.65 v2(187.87,59.58) ; C271.2 180.48,55.1 180.71,55.33 ; v2(182.5,37.5) 182.5,36.75 U224.2 ; v2(182.29,22.45) 182.53,22.69 Q43.2 ; v2(185.91,50.98) 185.64,51.25 185.64,51.44 ; U223.7 183.5,51.11 U223.3 ; v2(183.61,43.9) 183.49,43.78 C276.2 ; U227.6 185.6,48.46 U227.17 186.6,48.96 U227.16 186.74,48.96 185.99,48.21 v2(185.58,48.21) ; R436.2 181.21,40.72 v2(181.47,40.98) ; C266.2 v2(187.48,69.81) ; C269.2 186.85,64.44 U221.1 ; R426.2 188.05,52.65 188.05,54.03 187.51,54.57 U222.2 187.17,54.57 186.91,54.32 186.59,54.32 185.9,53.62 v2(185.9,53.62) 185.83,53.55 184.88,53.55 184.94,53.61 U222.6 ; 180.67,58.48 C272.2 180.71,58.25 C275.2 180.71,51.88 v2(180.82,51.78) ; C270.2 180.48,56.52 ; C268.2 187.48,67.78 v2(187.48,67.78) ; U219.1 186.64,43.73 186.32,43.4 185.97,43.4 185.64,43.73 U219.3 185.64,43.72 v2(184.97,43.05) 183.46,41.54 Q45.2 183.46,39.77 v2(183.07,39.38) ; v2(182.52,33.74) 182.47,33.78 U224.5 ; 187.48,65.55 v2(187.42,65.49)
  Top w0.25: v2(182.34,62.19) v2(180.31,62.19) 180.48,62.02 C272.2 ; v1(170.78,36.11) 170.78,36.11 R403.1 170.88,36.72 U210.3 ; 170.8,42.02 v2(170.8,42.78) 170.8,43.58 170.6,43.78 172,45.18 172,45.79 ; U221.1 186.98,63.97 v2(187.93,63.97) ; U225.4 187.37,35.69 v2(187.27,35.78)
  Top w0.5: 187.66,75.91 R419.2 188.02,73.54 188.02,71.38 C266.2 ; 187.66,75.91 187.66,76.67 ; 187.66,75.91 v2(187.66,75.91) ; 187.66,76.67 187.66,86.17 U218.4 ; 187.66,76.67 v2(187.66,76.67) ; v2(180.56,72.86) 180.43,72.73 U228.5 180.43,70.95 180.08,70.6 C279.2 180.05,70.03 R441.2 ; 181.33,51.76 180.48,52.61 C272.2 ; 181.33,51.76 U223.7 ; 181.33,51.76 180.83,51.76 v2(180.82,51.78) ; 180.71,55.33 v2(181.33,55.33) ; 187.48,65.55 C267.2 v2(187.48,67.78) v2(187.48,69.81) ; 180.48,56.52 180.48,57.36 v2(181.33,57.36) ; v2(181.33,59.14) 181.14,59.14 180.67,58.67 180.67,58.48 ; U226.4 v2(185.65,19.14) ; v2(186.35,21.68) 185.61,21.68 185.1,22.19 R431.2 ; U231.2 v2(183.1,68.03)
  In1.Cu w0.15: v2(182.52,33.74) 182.5,33.76
  In1.Cu w1: 182.5,33.76 v2(182.5,37.5)
  In2.Cu w0.25: v1(170.78,36.11) 171.07,36.41 173.74,33.74 v2(182.52,33.74)
  Bottom w0.25: v1(170.78,36.11) 170.8,36.13 v2(170.8,42.78)
  Bottom w0.5: v2(187.66,76.67) 187.66,69.99 v2(187.48,69.81)
  vias: v2(187.66,75.14)
